# Altium PCB 小车PCB升级.PcbDoc (part 2 of 3) (continued)
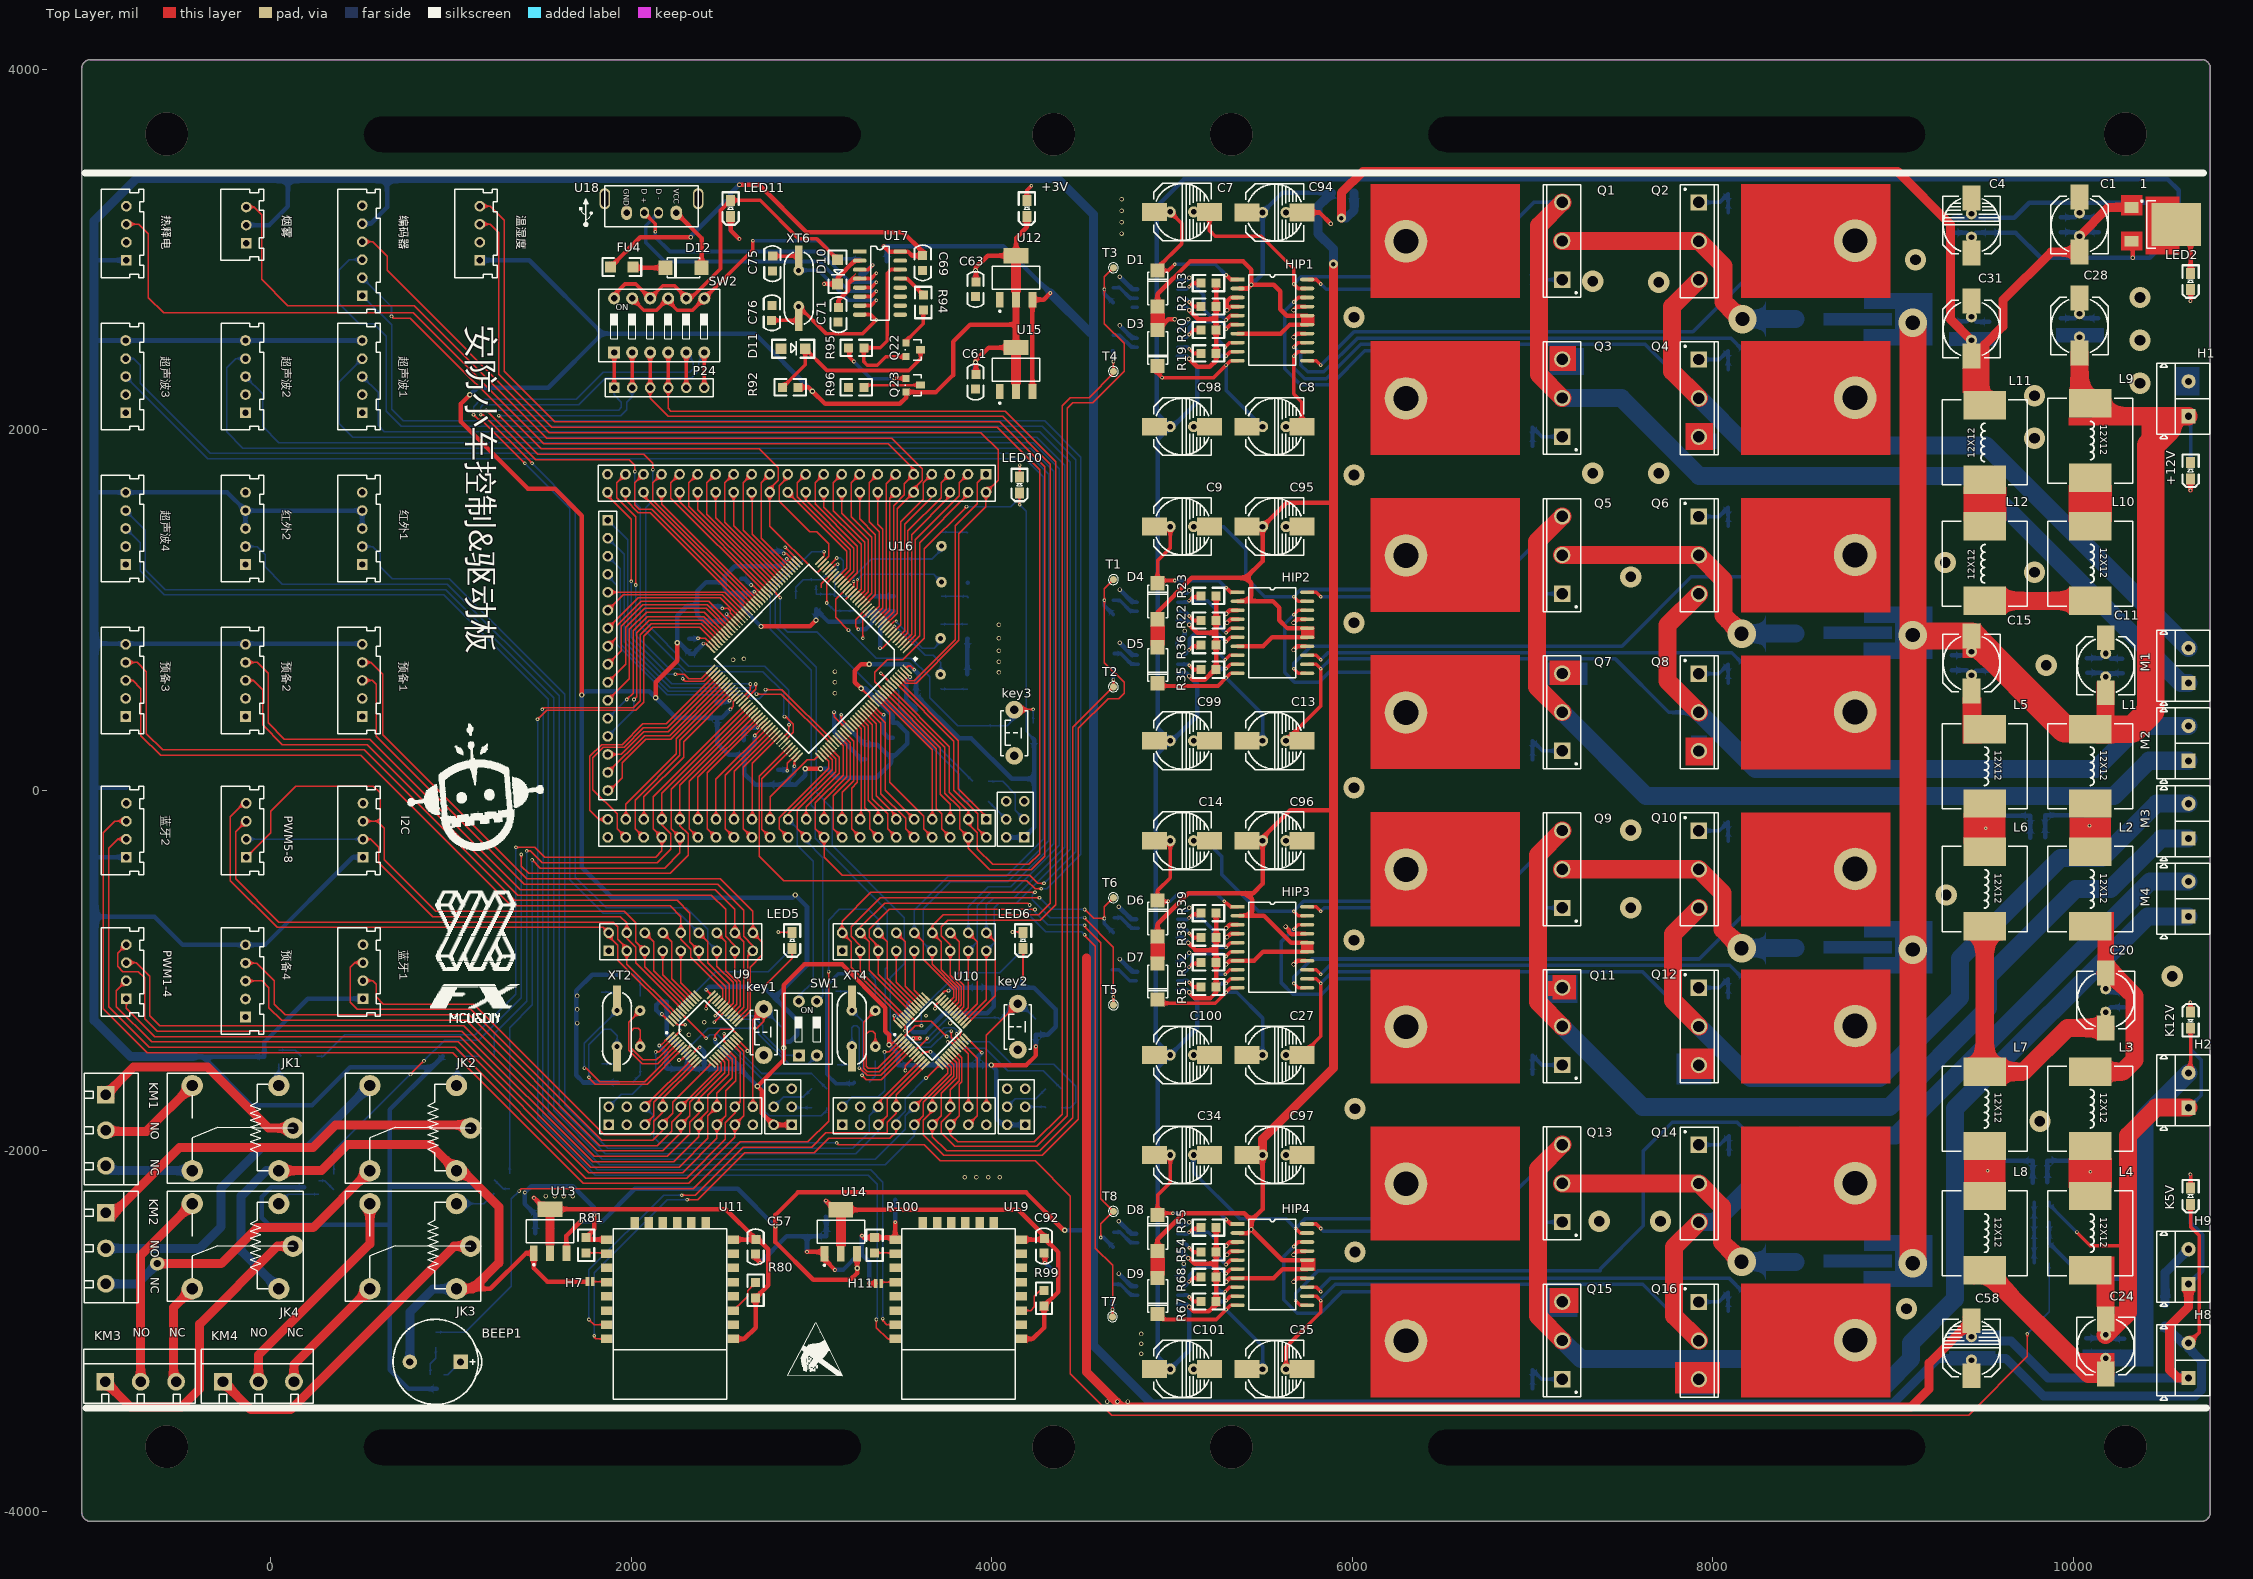
[diagram p0: Top Layer view]
## Nets (pads, with @x,y where several pads share a name; then routed paths per layer and width w, separated by ;. In a path a pad name is that pad's centre, name@x,y a point inside that pad or via, vN(x,y) a via of type N, cw(c..) or ccw(c..) an arc to the next point about the centre after c; other vN are vias at no path point) (continued)
  Top Layer w20: v1(5675,2710) 5700,2735 HIP1.18@5739.17,2735
  Bottom Layer w20: v1(5675,2710) 5625,2660 5625,2340 5715,2250 5880,2250 6070,2440 6385,2440 R11.2@6915,1910
BL1: HIP2.18 R31.2 | length 1951.6
  Top Layer w20: v1(5675,974.91) 5700,999.91 HIP2.18@5739.17,999.91
  Bottom Layer w20: v1(5675,974.91) 5625,924.91 5625,655 5680,600 5815,600 5870,655 6430,655 R31.2@6915,170
BL2: HIP3.18 R47.2 | length 2127.8
  Top Layer w20: v1(5675,-770) 5700,-745 HIP3.18@5739.17,-745
  Bottom Layer w20: v1(5675,-770) 5605,-840 5605,-1065 5670,-1130 5830,-1130 5915,-1045 6620,-1045 6755,-1180 6755,-1415 R47.2@6915,-1575
BL3: HIP4.18 R63.2 | length 2170.4
  Top Layer w20: v1(5675,-2530) 5700,-2505 HIP4.18@5739.17,-2505
  Bottom Layer w20: v1(5675,-2530) 5620,-2585 5620,-2825 5695,-2900 5825,-2900 5945,-2780 6680,-2780 6795,-2895 6795,-3200 R63.2@6915,-3320
BLI1: HIP1.5 R3.2 U1.6 | length 545
  Top Layer w20: v1(5095,2795) 5114.9,2814.9 R3.2@5160,2814.9 ; v1(5300,2610) 5325,2635 HIP1.5@5364.17,2635
  Bottom Layer w20: U1.6@5032.5,2780 5080,2780 v1(5095,2795) 5130,2795 5175,2750 5175,2670 5215,2630 5280,2630 v1(5300,2610)
BLI2: HIP2.5 R23.2 U3.6 | length 536.6
  Top Layer w20: v1(5095,1053.33) 5114.9,1073.23 R23.2@5160,1073.23 ; v1(5300,874.91) 5325,899.91 HIP2.5@5364.17,899.91
  Bottom Layer w20: U3.6@5032.5,1045 5086.67,1045 v1(5095,1053.33) 5196.67,1053.33 5240,1010 5240,934.91 v1(5300,874.91)
BLI3: HIP3.5 R39.2 U5.6 | length 527.4
  Top Layer w20: v1(5095,-706.64) 5114.9,-686.74 R39.2@5160,-686.74 ; v1(5300,-870) 5325,-845 HIP3.5@5364.17,-845
  Bottom Layer w20: U5.6@5032.5,-715 5086.64,-715 v1(5095,-706.64) 5161.64,-706.64 5230,-775 5230,-845 5255,-870 v1(5300,-870)
BLI4: HIP4.5 R55.2 U7.6 | length 539.5
  Top Layer w20: v1(5095,-2451.64) 5114.9,-2431.74 R55.2@5160,-2431.74 ; v1(5300,-2630) 5325,-2605 HIP4.5@5364.17,-2605
  Bottom Layer w20: U7.6@5032.5,-2460 5086.64,-2460 v1(5095,-2451.64) 5201.64,-2451.64 5245,-2495 5245,-2575 v1(5300,-2630)
BOOT0: R102.2 U16.138 | length 889.8
  Top Layer w8: v1(3385,650) 3386.24,650 U16.138@3440.94,595.3
  Bottom Layer w8: v1(3385,650) 3485,550 3485,460 R102.2@3895,50
BOOT1: P26.33 R103.1 U16.48 | length 2607.4
  Top Layer w8: P26.33@2368.05,1755 2320,1706.95 2320,1577.04 U16.48@2781.16,1115.88
  Top Layer w10: U16.48@2781.16,1115.88 v1(2827.04,1070)
  Bottom Layer w10: v1(2827.04,1070) 2827.04,917.96 2865,880 3030,880 3820,90 3820,-25 3855,-60 R103.1@3895,-60
"CH340 D+": U17.5 U18.3 | length 1594.2
  Top Layer w20: U18.3@2072.9,3205 2133.89,3144.01 v1(2133.89,3100) ; U17.5@3267.5,2790 3330,2790 v1(3360,2820)
  Bottom Layer w20: v1(2133.89,3100) 2133.89,3071.11 2215,2990 3045,2990 3215,2820 v1(3360,2820)
"CH340 D-": U17.6 U18.2 | length 1691.3
  Top Layer w20: U17.6@3267.5,2740 3330,2740 v1(3360,2770)
  Bottom Layer w20: U18.2@2151.4,3205 2080,3133.6 2080,3040 2185,2935 3045,2935 3210,2770 v1(3360,2770)
ESPRXD: U16.69 U19.21 | length 6569.5
  Top Layer w8: v1(1506.72,450) 1516.72,460 2011.72,460 2050,498.28 2050,863.28 2111.72,925 2387.43,925 U16.69@2481.78,830.65 U16.69@2488.85,823.58 ; v1(3395,-2930) 3395,-2940 3418.74,-2963.74 U19.21@3464.21,-2963.74
  Bottom Layer w8: v1@1510,445 1513,442 1513,-446.16 1510,-449.16 1510,-1802.57 1812.43,-2105 3327.43,-2105 3395,-2172.57 v1(3395,-2930)
ESPTXD: U16.70 U19.22 | length 6634.9
  Top Layer w8: v1(1480,395) 1530,445 2025,445 2070,490 2070,855 2120,905 2379.59,905 U16.70@2467.86,816.73 U16.70@2474.93,809.66 ; v1(3360,-2935) 3360,-2980 3422.48,-3042.48 U19.22@3464.21,-3042.48
  Bottom Layer w8: v1(1480,395) 1480,-1815 1800,-2135 3315,-2135 3365,-2185 3365,-2930 v1(3360,-2935)
ESPVCC1: C57.2 C65.2 C66.2 R80.1 U11.1 U11.8 U13.2 | length 2391.2
  Top Layer w25: v1(1460,-2260) 1522.95,-2322.95 U13.2@1550,-2322.95 2524.95,-2322.95 C57.2@2692,-2490 ; U11.1@2565.79,-3042.48 2627.52,-3042.48 2690,-2980 R80.1@2690,-2815 2760,-2745 2760,-2545 2705,-2490 C57.2@2692,-2490 ; U11.8@2565.79,-2491.3 2690.7,-2491.3 C57.2@2692,-2490
  Bottom Layer w25: v1(1460,-2260) C65.2@1550,-2350 C66.2@1550,-2455
ESPVCC2: C67.2 C68.2 C92.2 R99.1 U14.2 U19.1 U19.8 | length 2474.7
  Top Layer w8: C92.2@4305,-2485 4370,-2550
  Top Layer w25: v1(3080,-2275) 3131.26,-2326.26 U14.2@3162.48,-2326.26 4146.26,-2326.26 C92.2@4305,-2485 ; U19.1@4165,-3042.48 4227.52,-3042.48 4290,-2980 R99.1@4290,-2860 4370,-2780 4370,-2563 C92.2@4292,-2485 4285.7,-2491.3 U19.8@4165,-2491.3
  Bottom Layer w25: v1(3080,-2275) 3080,-2281 C67.2@3162,-2363 3164.19,-2365.19 C68.2@3164.19,-2470
F12V: C94.1 C95.1 C96.1 C97.1 D1.1 D3.1 D4.1 D5.1 D6.1 D7.1 D8.1 D9.1 FU2.1 HIP1.2 HIP1.7 HIP1.15 HIP1.16 HIP2.2 HIP2.7 HIP2.15 HIP2.16 HIP3.2 HIP3.7 HIP3.15 HIP3.16 HIP4.2 HIP4.7 HIP4.15 HIP4.16 | length 15271.4
  Top Layer w25: D8.1@4920,-2555 4920,-2490 5065,-2345 5400,-2345 5440,-2385 ; D6.1@4920,-810 4920,-740 5090,-570 5410,-570 ; D4.1@4920,950 4920,990 5110,1180 5410,1180 ; D3.1@4920,2555 4980,2615 v2(5015,2615) ; D1.1@4920,2685 4920,2755 5100,2935 5395,2935 5440,2890 v2(5440,2805) ; v2(5300,-2725) 5320,-2705 HIP4.7@5364.17,-2705 5565,-2705 5615,-2655 HIP4.15@5750,-2655 ; v2(5300,-965) 5320,-945 HIP3.7@5364.17,-945 5455,-945 5505,-895 HIP3.15@5750,-895 ; HIP2.7@5364.17,799.91 5504.91,799.91 5554.91,849.91 HIP2.15@5750,849.91 ; HIP2.2@5364.17,1049.91 5410,1049.91 ; HIP1.7@5364.17,2535 5604.17,2535 5654.17,2585 HIP1.15@5750,2585 HIP1.16@5750,2635 5749,2634 5636,2634 5600,2670 5600,2770 5565,2805 v2(5440,2805) ; HIP4.2@5375.83,-2455 5420,-2455 v2(5440,-2435) ; HIP3.2@5375.83,-695 5420,-695 ; HIP1.2@5375.83,2785 5420,2785 v2(5440,2805) ; C97.1@5502.47,-2035 5502.47,-2322.53 5440,-2385 ; HIP4.16@5750,-2605 5750,-2606 5611,-2606 v2(5440,-2435) ; HIP3.16@5750,-845 5750,-846 5661.33,-846 5510.33,-695 5420,-695 ; HIP2.16@5750,899.91 5750,898.91 5641.09,898.91 5595,945 5595,1015 5560.09,1049.91 5410,1049.91 ; 5895,-95 5880,-110 5655,-110 5502.47,-262.53 C96.1@5502.47,-278.9 5502.47,-517.53 5450,-570 5410,-570 ; 5895,1600 5890,1595 5633.51,1595 C95.1@5502.47,1463.96 5502.47,1272.47 5410,1180 ; 5410,-570 5445,-605 5445,-670 5420,-695 ; 5410,1049.91 5440,1079.91 5440,1150 5410,1180 ; v2(5440,-2435) 5440,-2385
  Top Layer w50: C97.1@5502.47,-2035 C97.1@5502.47,-2021.75 5502.47,-1932.53 5895,-1540 5895,-95 5895,1600 v8(5895,2920)
  Bottom Layer w25: v2(5440,2805) 5502.47,2867.47 C94.1@5502.47,3206.82 5610.65,3315 FU2.1@5885,3315
  Bottom Layer w50: FU2.1@5885,3315 5810,3240 5810,3090 5895,3005 v8(5895,2920)
GND: 1.2 +12V.2 C1.1 C2.1 C3.1 C10.1 C11.1 C12.1 C15.1 C16.1 C17.1 C28.1 C29.1 C30.1 C31.1 C32.1 C33.1 C94.2 C95.2 C96.2 C97.2 C98.2 C99.2 C100.2 C101.2 D2.2 H1.2 HIP1.3 HIP1.4 HIP1.14 HIP1.17 HIP2.3 HIP2.4 HIP2.14 HIP2.17 HIP3.3 HIP3.4 HIP3.14 HIP3.17 HIP4.3 HIP4.4 HIP4.14 HIP4.17 L5.1 LED2.2 Q3.3 Q4.3 Q7.3 Q8.3 Q11.3 Q12.3 Q15.3 Q16.3 R6.1 R7.1 R8.2 R9.2 R10.2 R13.2 R26.1 R27.1 R28.2 R29.2 R30.2 R33.2 R42.1 R43.1 R44.2 R45.2 R46.2 R49.2 R58.1 R59.1 R60.2 R61.2 R62.2 R65.2 U1.5 U2.5 U3.5 U4.5 U5.5 U6.5 U7.5 U8.5 | length 3535.1
  Top Layer w25: v2(5300,-2525) 5320,-2505 HIP4.3@5364.17,-2505 ; v2(5300,-765) 5320,-745 HIP3.3@5364.17,-745 ; v2(5300,979.91) 5320,999.91 HIP2.3@5364.17,999.91 ; v2(5305,-2575) 5325,-2555 HIP4.4@5364.17,-2555 HIP4.4@5369.17,-2555 ; v2(5305,-815) 5325,-795 HIP3.4@5364.17,-795 HIP3.4@5369.17,-795 ; v2(5305,929.91) 5325,949.91 HIP2.4@5364.17,949.91 HIP2.4@5369.17,949.91 ; HIP1.3@5364.17,2735 5325,2735 5305,2715 v2(5305,2665) 5325,2685 HIP1.4@5364.17,2685 HIP1.4@5369.17,2685 ; v2(5630,-755) 5646.5,-771.5 5646.5,-781.81 5663.19,-798.5 5686.81,-798.5 5690.31,-795 HIP3.17@5738.35,-795 ; v2(5674.17,-2725) 5694.17,-2705 HIP4.14@5738.35,-2705 ; v2(5674.17,-2575) 5694.17,-2555 HIP4.17@5738.35,-2555 ; v2(5674.17,-965) 5694.17,-945 HIP3.14@5738.35,-945 ; v2(5674.17,779.91) 5694.17,799.91 HIP2.14@5738.35,799.91 ; v2(5674.17,929.91) 5694.17,949.91 HIP2.17@5738.35,949.91 ; v2(5674.17,2515) 5694.17,2535 HIP1.14@5738.35,2535 ; v2(5674.17,2665) 5694.17,2685 HIP1.17@5738.35,2685 ; C94.2@5720.47,3206.82 5818.18,3206.82 v2(5880,3145) ; 1.2@10571.57,3140 10651,3060.57 LED2.2@10651,2869
  Bottom Layer w25: U8.5@5032.5,-2700 5035,-2700 5065,-2670 v2(5065,-2625) ; U7.5@5032.5,-2410 5080,-2410 v2(5095,-2395) ; U6.5@5032.5,-955 5040,-955 v2(5095,-900) ; U5.5@5032.5,-665 5080,-665 v2(5095,-650) ; U4.5@5032.5,800 5032.5,827.5 5070,865 v2(5070,885) ; U3.5@5032.5,1095 5080,1095 v2(5095,1110) ; U2.5@5032.5,2560 5050,2560 5050,2565.31 5090,2605.31 v2(5090,2615) ; U1.5@5032.5,2830 5080,2830 v2(5095,2845) ; C16.1@9327,667 9407.83,667 C15.1@9435,639.83 9460.17,665 C17.1@9540,665 ; C33.1@9333,2602 9409,2602 C31.1@9435,2628 9463,2600 C32.1@9535,2600 ; C30.1@9930,2620 10009.83,2620 C28.1@10035,2645.17 10060.17,2620 C29.1@10140,2620 ; C2.1@9930,3180 10010,3180 C1.1@10035,3205 10060,3180 C3.1@10140,3180 ; C12.1@10075,735 10154.83,735 C11.1@10180,760.17 10208.17,732 C10.1@10273,732
  other v3: 9075,-2875 6015,-2560 7370,-2390 7710,-2390 9815,-1835 6015,-1765 10550,-1030 6010,-830 7545,-650 9295,-580 7545,-220 6010,15 9850,695 6010,930 7545,1185 9785,1210 9290,1265 6010,1750 7335,1760 7700,1760 9785,1955 9785,2190 10370,2260 10370,2497.5 6010,2625 10370,2735 7700,2820 7335,2825 9125,2945
HTUCL: P27.4 U16.136 温湿度.4 | length 7968.8
  Top Layer w8: 温湿度.4@1160,3241.77 1218.23,3241.77 1295,3165 1295,2325 1575,2045 4045,2045 4295,1795 4295,-365 4220,-440 3990,-440 3870,-320 P27.4@3870,-260 3821.95,-211.95 3821.95,-96.95 3740,-15 3740,240.56 U16.136@3420.17,560.39 U16.136@3413.1,567.46
HTUDA: P27.3 U16.137 温湿度.3 | length 7774.5
  Top Layer w8: 温湿度.3@1160,3141.77 1218.23,3141.77 1265,3095 1265,2310 1560,2015 4030,2015 4265,1780 4265,-350 4205,-410 4005,-410 3920,-325 3920,-235 3870,-185 P27.3@3870,-160 3870,-115 3765,-10 3765,243.4 U16.137@3434.09,574.31 U16.137@3427.02,581.38
IC12V: 1.1 C1.2 C2.2 C3.2 C31.2 C32.2 C33.2 FU2.2 L11.2 | length 6527.8
  Top Layer w50: v8(5940,3175) 5940,3315 6060,3435 9025,3435 9320,3140 9320,2613 C31.2@9435,2498 ; L11.2@9509,2137.44 9509,2474 9610,2575 9610,2720 9877,2987 C1.2@10035,2987 ; C1.2@10035,3075 10194.76,3234.76 1.1@10322.98,3234.76
  Bottom Layer w25: C33.2@9335,2520 9413,2520 C31.2@9435,2498 9455,2518 C32.2@9537,2518 ; C2.2@9932,3098 10012,3098 C1.2@10035,3075 10058,3098 C3.2@10142,3098
  Bottom Layer w50: v8(5940,3175) 5965,3175 6010,3220 FU2.2@6010,3315
MCU: C24.1 C25.1 C26.1 C46.1 H2.2 K12V.2 L8.2 R73.1 | length 3791.3
  Top Layer w20: H2.2@10640,-1566.3 10651,-1555.3 K12V.2@10651,-1319
  Top Layer w100: L8.2@9509,-2662.44 10083.72,-3237.17 C24.1@10180,-3237.17
  Bottom Layer w20: R73.1@9867.64,-2396.67 9867.64,-2507.36 C46.1@9865,-2510 10065,-2710 10395,-2710
  Bottom Layer w25: C25.1@10075,-3120 10149.83,-3120 C24.1@10180,-3150.17 10205.17,-3125 C26.1@10285,-3125
  Bottom Layer w100: 10395,-3135 10395,-2710 10395,-1811.3 H2.2@10640,-1566.3
MCU12V: C24.2 C25.2 C26.2 H2.1 L4.2 R16.2 R71.2 | length 2822.7
  Top Layer w20: v1(10020,-2450) 10095,-2525 10300,-2525 10305,-2530
  Top Layer w100: C24.2@10180,-3020.17 10305,-2895.17 10305,-2530 10305,-1915 10460,-1760 H2.1@10640,-1760
  Bottom Layer w20: R71.2@9867.64,-2285 9867.64,-2297.64 v1(10020,-2450) ; H2.1@10640,-1760 10710,-1690 10710,-1495 10651,-1436 R16.2@10651,-1320
  Bottom Layer w25: C25.2@10073,-3038 10162.17,-3038 C24.2@10180,-3020.17 10202.83,-3043 C26.2@10283,-3043
Net1_3: 1.3 C4.1 C5.2 C6.2 FU1.1 | length 1489
  Top Layer w25: 1.3@10323.18,3048 10330,3041.18 v2(10330,2955)
  Bottom Layer w25: C5.2@9335,3095 9409.83,3095 C4.1@9435,3069.83 9460.17,3095 C6.2@9540,3095 9680,3095 9820,2955 v2(10330,2955) 10425,2955 10520,3050 FU1.1@10520,3140
Net2_2: 2.2 R97.1 U16.24 XT7.1 | length 810.2
  Top Layer w8: U16.24@3234.7,1132.95 v11(3234.7,1159.7)
  Top Layer w10: U16.24@3204.31,1101.96 3235,1132.65 U16.24@3234.7,1132.95
  Bottom Layer w8: XT7.1@3721,1434 2.2@3861,1434
  Bottom Layer w10: v11(3234.7,1159.7) 3234.7,1184.7 3335,1285 R97.1@3575,1285 3670,1285 3721,1336 XT7.1@3721,1356 ; 2.2@3861,1434 2.2@3865,1430
NetBEEP1_1: BEEP1.1 Q17.2 | length 122
  Bottom Layer w8: Q17.2@960,-3240 983,-3240 BEEP1.1@1053,-3170
NetC4_2: C4.2 C5.1 C6.1 D2.1 | length 1200.3
  Bottom Layer w25: C5.1@9333,3177 9412.17,3177 C4.2@9435,3199.83 9457.83,3177 C6.1@9538,3177 9672,3177 9755,3260 D2.1@10480,3260
NetC7_1: C7.1 D1.2 HIP1.1 | length 901.7
  Top Layer w20: C7.1@4990,3210 5055,3145 5055,3035 4920,2900 D1.2@4920,2885 4980,2885 v1(5015,2920) ; v1(5300,2860) 5325,2835 HIP1.1@5364.17,2835
  Bottom Layer w20: v1(5015,2920) 5240,2920 v1(5300,2860)
NetC8_1: C8.1 D3.2 HIP1.10 | length 958
  Top Layer w20: D3.2@4920,2355 4920,2315.83 v1(4945,2290.83) 5230.83,2290.83 v1(5300,2360) 5325,2385 HIP1.10@5364.17,2385
  Bottom Layer w20: v1(5300,2360) 5300,2221.04 C8.1@5502.47,2018.57
NetC9_1: C9.1 D4.2 HIP2.1 | length 820.3
  Top Layer w20: C9.1@4990,1463.96 4990,1345 4920,1275 D4.2@4920,1150 4935,1165 v1(5015,1165) ; v1(5300,1124.91) 5325,1099.91 HIP2.1@5364.17,1099.91
  Bottom Layer w20: v1(5015,1165) 5259.91,1165 v1(5300,1124.91)
NetC13_1: C13.1 D5.2 HIP2.10 | length 912.4
  Top Layer w20: D5.2@4920,595 4935,580 5255,580 5299.91,624.91 v1(5300,624.91) 5325,649.91 HIP2.10@5364.17,649.91
  Bottom Layer w20: v1(5300,624.91) 5502.47,422.44 C13.1@5502.47,275.71
NetC14_1: C14.1 D6.2 HIP3.1 | length 852.9
  Top Layer w20: v1(4980,-615) 4930,-620 D6.2@4920,-610 4920,-555 4990,-485 C14.1@4990,-278.9 ; v1(5290,-615) 5325,-645 HIP3.1@5364.17,-645
  Bottom Layer w20: v1(4980,-615) 4990,-615 5030,-575 5250,-575 v1(5290,-615)
NetC18_1: C18.1 C19.1 L5.2 L6.1 | length 397.7
  Bottom Layer w25: v1(9515,-210) 9585.8,-139.2 C18.1@9761.36,-139.2 C19.1@9761.36,-261.2
NetC18_2: C18.2 C19.2 L1.2 L2.1 | length 392.6
  Bottom Layer w25: C19.2@9843.36,-259.2 C18.2@9843.36,-137.2 10032.2,-137.2 v1(10090,-195)
NetC20_1: C20.1 C21.1 L6.2 L7.1 | length 1692.5
  Top Layer w100: L6.2@9509,-752.44 9509,-1559.78 9725.22,-1559.78 9968,-1317 C20.1@10180,-1317
  Bottom Layer w25: C20.1@10180,-1230 10208,-1202 C21.1@10282,-1202
NetC20_2: C20.2 C21.2 L2.2 L3.1 | length 948
  Top Layer w100: L3.1@10095.22,-1560 10275,-1560 10340,-1495 10340,-1140 10212,-1012 C20.2@10180,-1012
  Bottom Layer w25: C20.2@10180,-1100 10200,-1120 C21.2@10280,-1120
NetC22_1: C22.1 C23.1 L7.2 L8.1 | length 392.8
  Bottom Layer w25: v1(9525,-2110) 9580,-2055 C23.1@9775,-2055 C22.1@9775,-2175
NetC22_2: C22.2 C23.2 L3.2 L4.1 | length 383.7
  Bottom Layer w25: C22.2@9857,-2173 C23.2@9857,-2053 10033,-2053 v1(10095,-2115)
NetC27_1: C27.1 D7.2 HIP3.10 | length 953.8
  Top Layer w20: D7.2@4920,-1160 4940,-1180 5240,-1180 v1(5300,-1120) 5325,-1095 HIP3.10@5364.17,-1095
  Bottom Layer w20: v1(5300,-1120) 5360,-1120 5502.47,-1262.47 C27.1@5502.47,-1467.14
NetC34_1: C34.1 D8.2 HIP4.1 | length 835.4
  Top Layer w20: C34.1@4990,-2021.75 4990,-2175 4920,-2245 D8.2@4920,-2355 4930,-2345 v1(5005,-2345) ; v1(5300,-2380) 5325,-2405 HIP4.1@5364.17,-2405
  Bottom Layer w20: v1(5005,-2345) 5265,-2345 v1(5300,-2380)
NetC35_1: C35.1 D9.2 HIP4.10 | length 903.6
  Top Layer w20: D9.2@4920,-2905 4950,-2935 5245,-2935 v1(5300,-2880) 5325,-2855 HIP4.10@5364.17,-2855
  Bottom Layer w20: v1(5300,-2880) 5502.47,-3082.47 C35.1@5502.47,-3210
NetC46_2: C46.2 R71.1 R72.1 R73.2 | length 335
  Bottom Layer w20: R72.1@9782.64,-2620 R73.2@9782.64,-2396.67 R71.1@9782.64,-2285
NetC71_1: C71.1 U17.4 | length 335.3
  Top Layer w20: U17.4@3267.5,2840 3330,2840 v1(3360,2870)
  Top Layer w25: C71.1@3150,2680 3150,2720 3205,2775 3205,2814.5 3230.5,2840 U17.4@3267.5,2840
NetC75_2: C75.2 U17.7 XT6.1 | length 749.1
  Top Layer w20: C75.2@2785,2965 2928,2965 XT6.1@2929,2964 ; U17.7@3267.5,2690 3330,2690 v1(3360,2720)
  Bottom Layer w20: XT6.1@2929,2886 3039,2886 3205,2720 v1(3360,2720)
NetC76_2: C76.2 U17.8 XT6.2 | length 781
  Top Layer w20: C76.2@2778,2608 2928,2608 XT6.2@2929,2607 ; XT6.2@2929,2686 3080,2535 3285,2535 v1(3360,2610) 3330,2640 U17.8@3267.5,2640
NetC77_2: C77.2 R97.2 U16.23 XT7.2 | length 785.6
  Top Layer w8: 3190,1060 3254.82,1124.82 v7(3254.82,1170)
  Bottom Layer w8: v7(3254.82,1170) 3284.82,1200 R97.2@3575,1200 3677,1200 XT7.2@3721,1156 ; XT7.2@3721,1077 C77.2@3863,1077
  Bottom Layer w10: C77.2@3863,1077 C77.2@3870,1070
NetC78_1: C78.1 C79.1 U16.30 | length 333.1
  Top Layer w8: v1(3085,1040) 3085,1149.69 U16.30@3120.79,1185.48
  Bottom Layer w8: v1(3085,1040) 3128,997 C78.1@3132,997 C79.1@3240,997
NetD10_2: D10.2 U17.2 | length 271.9
  Top Layer w25: v1(3070,2810) D10.2@3145,2810 3145,2845 3240,2940 U17.2@3267.5,2940
NetD11_2: D11.2 Q22.1 R92.1 | length 1032.8
  Top Layer w20: R92.1@2840,2237.06 2965,2362.06 D11.2@2965,2451 3086,2330 3540,2330 3605,2395 Q22.1@3605,2445
NetD12_1: D12.1 U18.1 | length 363
  Top Layer w25: U18.1@2250,3205 2390,3065 D12.1@2390,2900
NetD12_2: D12.2 FU4.2 | length 181.8
  Top Layer w25: FU4.2@2010,2904.24 2014.24,2900 D12.2@2190,2900
NetDF1_2: DF1.2 Q1.2 Q2.2 | length 1562.4
  Top Layer w100: Q1.2@7165,3048.82 7922.18,3048.82 Q2.2@7923,3048 8060,2911 8060,2710 8155,2615 v5(8165,2615)
  Bottom Layer w100: v5@8195,2615 DF1.2@8460,2615
NetDF2_1: 
NetDF2_2: DF2.2 Q5.2 Q6.2 | length 1566.7
  Top Layer w100: Q5.2@7165,1305.96 7922.18,1305.96 Q6.2@7923,1305.14 8060,1168.14 8060,970 v5(8160,870)
  Bottom Layer w100: v5@8185,870 DF2.2@8460,870
NetDF3_2: DF3.2 Q9.2 Q10.2 | length 1548.8
  Top Layer w100: Q9.2@7165,-436.9 7922.18,-436.9 Q10.2@7923,-437.71 8055,-569.71 8055,-770 v5(8160,-875)
  Bottom Layer w100: v5@8205,-875 DF3.2@8460,-875
NetDF4_2: DF4.2 Q13.2 Q14.2 | length 1590.9
  Top Layer w100: Q13.2@7165,-2179.75 7922.18,-2179.75 Q14.2@7923,-2180.57 8050,-2307.57 8050,-2505 v5(8160,-2615)
  Bottom Layer w100: v5(8160,-2615) DF4.2@8460,-2615
NetFU3_1: FU3.1 H9.2 | length 353.8
  Bottom Layer w50: FU3.1@10510,-2845 10510,-2675 H9.2@10640,-2545
NetH7_2: H7.2 U11.18 | length 71
  Top Layer w8: H7.2@1795,-2725 U11.18@1862.48,-2725
  Top Layer w25: U11.18@1862.48,-2725 U11.18@1865,-2727.52
NetH11_2: H11.2 U19.18 | length 80.2
  Top Layer w8: H11.2@3387.06,-2735 3394.54,-2727.52 U19.18@3464.21,-2727.52
NetHIP1_8: HIP1.8 R8.1 | length 190.2
  Top Layer w20: v1(5295,2460) 5320,2485 HIP1.8@5359.17,2485
  Bottom Layer w20: R8.1@5245,2555 5245,2510 v1(5295,2460)
NetHIP1_9: HIP1.9 R13.1 | length 135.7
  Top Layer w20: v1(5300,2410) 5325,2435 HIP1.9@5364.17,2435
  Bottom Layer w20: R13.1@5245,2425 5260,2410 v1(5300,2410)
NetHIP2_8: HIP2.8 R28.1 | length 175.3
  Top Layer w20: v1(5295,724.91) 5320,749.91 HIP2.8@5359.17,749.91
  Bottom Layer w20: R28.1@5245,805 5245,774.91 v1(5295,724.91)
NetHIP2_9: HIP2.9 R33.1 | length 131.6
  Top Layer w20: v1(5300,674.91) 5325,699.91 HIP2.9@5364.17,699.91
  Bottom Layer w20: R33.1@5245,670 5249.91,674.91 v1(5300,674.91)
NetHIP3_8: HIP3.8 R44.1 | length 177.8
  Top Layer w20: v1(5295,-1020) 5320,-995 HIP3.8@5359.17,-995
  Bottom Layer w20: R44.1@5245,-955 5245,-1000 5265,-1020 v1(5295,-1020)
NetHIP3_9: HIP3.9 R49.1 | length 135.7
  Top Layer w20: v1(5300,-1070) 5325,-1045 HIP3.9@5364.17,-1045
  Bottom Layer w20: R49.1@5245,-1085 5260,-1070 v1(5300,-1070)
NetHIP4_8: HIP4.8 R60.1 | length 189.9
  Top Layer w20: v1(5295,-2780) 5320,-2755 HIP4.8@5359.17,-2755
  Bottom Layer w20: R60.1@5245,-2700 5245,-2755 5270,-2780 v1(5295,-2780)
NetHIP4_9: HIP4.9 R65.1 | length 131.6
  Top Layer w20: v1(5300,-2830) 5325,-2805 HIP4.9@5364.17,-2805
  Bottom Layer w20: R65.1@5245,-2835 5295,-2835 v1(5300,-2830)
NetJK1_2: JK1.2 Q18.2 | length 122
  Bottom Layer w8: JK1.2@45,-1637.05 Q18.2@45,-1515
NetJK2_2: JK2.2 Q19.2 | length 126
  Bottom Layer w8: JK2.2@1030.31,-1637.05 1035,-1632.36 Q19.2@1035,-1513
NetJK3_2: JK3.2 Q20.2 | length 233.3
  Bottom Layer w8: JK3.2@1030.31,-2292.05 1182.95,-2292.05 Q20.2@1240,-2235
NetJK4_2: JK4.2 Q21.2 | length 241.6
  Bottom Layer w8: JK4.2@45,-2292.05 97.05,-2240 Q21.2@265,-2240
NetL9_2: L9.2 L10.1 | length 270.1
  Top Layer w100: L9.2@10095,1735 10095,1465.22 L10.1@10095.22,1465
NetL10_2: L10.2 L12.1 | length 586.2
  Top Layer w100: L12.1@9508.78,1052.56 L10.2@10095,1052.56
NetL11_1: L11.1 L12.2 | length 260.1
  Top Layer w100: L11.1@9508.78,1725 9509,1724.78 L12.2@9509,1465
NetLED1_1: +12V.1 R14.1 | length 133.8
  Top Layer w25: v1(10650,1665) 10651,1666 +12V.1@10651,1729
  Bottom Layer w25: v1(10650,1665) 10650,1733 R14.1@10651,1734
NetLED2_1: LED2.1 R15.1 | length 134.8
  Top Layer w20: v1(10650,2715) 10651,2716 LED2.1@10651,2779
  Bottom Layer w20: v1(10650,2715) 10650,2784 R15.1@10651,2785
NetLED3_1: K12V.1 R16.1 | length 114.8
  Top Layer w20: v1(10650,-1175) 10650,-1228 K12V.1@10651,-1229
  Bottom Layer w20: v1(10650,-1175) 10651,-1176 R16.1@10651,-1235
NetLED5_2: LED5.2 R69.1 | length 157.6
  Top Layer w8: v1(2815,-785) 2817.06,-787.06 LED5.2@2892.94,-787.06
  Bottom Layer w8: v1(2815,-785) 2890.87,-785 R69.1@2892.94,-787.06
NetLED6_2: LED6.2 R70.1 | length 119.3
  Top Layer w8: v1(4115,-785) 4171.74,-785 LED6.2@4173.8,-787.06
  Bottom Layer w8: v1(4115,-785) 4117.06,-787.06 R70.1@4173.8,-787.06
NetLED7_2: +3V.2 R83.2 | length 187.7
  Top Layer w20: +3V.2@4195,3274 4195,3330 v1(4220,3355)
  Bottom Layer w20: R83.2@4195,3269 4195,3330 v1(4220,3355)
NetLED8_2: K5V.2 R84.2 | length 151.8
  Top Layer w20: v1(10650,-2130) 10651,-2131 K5V.2@10651,-2206
  Bottom Layer w20: v1(10650,-2130) 10650,-2204 R84.2@10651,-2205
NetLED10_2: LED10.2 R90.1 | length 131
  Top Layer w10: LED10.2@4153.8,1740 4155,1741.2 v1(4155,1805)
  Bottom Layer w10: R90.1@4153.8,1740 4153.8,1803.8 v1(4155,1805)
NetLED11_1: LED11.1 R91.1 | length 289
  Top Layer w25: LED11.1@2551,3184 2551,3109 v1(2600,3060)
  Bottom Layer w25: R91.1@2550,3184 2550,3110 v1(2600,3060)
NetP12_3: P12.3 R76.1 | length 112.1
  Bottom Layer w10: P12.3@2890,-1755 2895,-1760 R76.1@3000,-1760
NetP12_4: P12.4 R77.2 | length 251.4
  Bottom Layer w10: P12.4@2790,-1755 2845,-1700 2955,-1700 R77.2@3000,-1655
NetP13_3: P13.3 R78.1 | length 117.1
  Bottom Layer w8: P13.3@4185,-1755 4295,-1755 R78.1@4300,-1760
NetP13_4: P13.4 R79.2 | length 256.4
  Bottom Layer w8: P13.4@4085,-1755 4130,-1710 4245,-1710 R79.2@4300,-1655
NetP29_3: P29.3 R102.1 | length 339.7
  Bottom Layer w8: R102.1@3980,50 4060,50 4130,-20 4130,-110 P29.3@4180,-160
NetP29_4: P29.4 R103.2 | length 141.4
  Bottom Layer w8: R103.2@3980,-60 P29.4@4080,-160
NetQ1_1: Q1.1 R4.2 R6.2 | length 291
  Bottom Layer w20: R4.2@7000,2780 R6.2@7000,2885 7050.75,2834.25 Q1.1@7165,2834.25
NetQ2_1: Q2.1 R5.1 R7.2 | length 286.6
  Bottom Layer w20: Q2.1@7923,3262.57 8037.57,3262.57 R5.1@8085,3310 R7.2@8085,3205
NetQ3_1: Q3.1 R9.1 R11.1 | length 291.6
  Bottom Layer w20: R11.1@7000,1910 R9.1@7000,2015 7052.18,1962.82 Q3.1@7165,1962.82
NetQ4_1: Q4.1 R10.1 R12.1 | length 287.2
  Bottom Layer w20: Q4.1@7923,2391.14 8036.14,2391.14 R12.1@8085,2440 R10.1@8085,2335
NetQ5_1: Q5.1 R24.2 R26.2 | length 292.2
  Bottom Layer w20: R24.2@7000,1040 R26.2@7000,1145 7053.61,1091.39 Q5.1@7165,1091.39
NetQ6_1: Q6.1 R25.1 R27.2 | length 287.8
  Bottom Layer w20: Q6.1@7923,1519.71 8034.71,1519.71 R25.1@8085,1570 R27.2@8085,1465
NetQ7_1: Q7.1 R29.1 R31.1 | length 292.8
  Bottom Layer w20: R31.1@7000,170 R29.1@7000,275 7055.03,219.97 Q7.1@7165,219.97
NetQ8_1: Q8.1 R30.1 R32.1 | length 288.4
  Bottom Layer w20: Q8.1@7923,648.28 8033.28,648.28 R32.1@8085,700 R30.1@8085,595
NetQ9_1: Q9.1 R40.2 R42.2 | length 291.3
  Bottom Layer w20: R40.2@7000,-705 R42.2@7000,-600 7051.46,-651.46 Q9.1@7165,-651.46
NetQ10_1: Q10.1 R41.1 R43.2 | length 286.9
  Bottom Layer w20: Q10.1@7923,-223.15 8036.85,-223.15 R41.1@8085,-175 R43.2@8085,-280
NetQ11_1: Q11.1 R45.1 R47.1 | length 291.9
  Bottom Layer w20: R47.1@7000,-1575 R45.1@7000,-1470 7052.89,-1522.89 Q11.1@7165,-1522.89
NetQ12_1: Q12.1 R46.1 R48.1 | length 287.5
  Bottom Layer w20: Q12.1@7923,-1094.58 8035.42,-1094.58 R48.1@8085,-1045 R46.1@8085,-1150
NetQ13_1: Q13.1 R56.2 R58.2 | length 292.5
  Bottom Layer w20: R56.2@7000,-2445 R58.2@7000,-2340 7054.32,-2394.32 Q13.1@7165,-2394.32
NetQ14_1: Q14.1 R57.1 R59.2 | length 293.1
  Bottom Layer w20: Q14.1@7923,-1966 8039,-1966 R57.1@8090,-1915 R59.2@8090,-2020
NetQ15_1: Q15.1 R61.1 R63.1 | length 291
  Bottom Layer w20: R63.1@7000,-3320 R61.1@7000,-3215 7050.75,-3265.75 Q15.1@7165,-3265.75
NetQ16_1: Q16.1 R62.1 R64.1 | length 288.7
  Bottom Layer w20: Q16.1@7923,-2837.43 8032.57,-2837.43 R64.1@8085,-2785 R62.1@8085,-2890
NetQ17_3: Q17.3 R82.2 | length 162.4
  Bottom Layer w8: Q17.3@885,-3240 885,-3180 915,-3150 R82.2@915,-3090
NetQ18_3: Q18.3 R85.2 | length 139.5
  Bottom Layer w8: Q18.3@45,-1440 135,-1440 R85.2@170,-1475
NetQ19_3: Q19.3 R86.2 | length 135.3
  Bottom Layer w8: Q19.3@1035,-1438 1072,-1475 R86.2@1155,-1475
NetQ20_3: Q20.3 R87.2 | length 105.7
  Bottom Layer w8: Q20.3@1240,-2160 1290,-2210 R87.2@1325,-2210
NetQ21_3: Q21.3 R88.2 | length 105.7
  Bottom Layer w8: Q21.3@265,-2165 300,-2165 R88.2@350,-2215
NetQ22_2: Q22.2 R95.2 U17.14 | length 940.7
  Top Layer w20: U17.14@3492.5,2890 3440,2890 3420,2870 3420,2495 3381,2456 R95.2@3290,2456 3290,2380 3310,2360 3365,2360 3412,2407 Q22.2@3525,2407
NetQ22_3: Q22.3 R94.2 | length 222.4
  Top Layer w20: Q22.3@3525,2482 3525,2495 3620,2590 R94.2@3620,2665
NetQ23_1: Q23.1 R96.2 | length 320
  Top Layer w15: R96.2@3302,2249.06 Q23.1@3605,2249.06
  Top Layer w20: R96.2@3290,2237.06 R96.2@3302,2249.06
NetQ23_3: Q23.3 R95.1 | length 418.2
  Top Layer w20: R95.1@3205,2456 3210,2451 3210,2405 v1(3235,2380) ; v1(3460,2285) 3461.06,2286.06 Q23.3@3525,2286.06
  Bottom Layer w20: v1(3235,2380) 3330,2285 v1(3460,2285)
NetR1_2: R1.2 U1.2 | length 157.4
  Bottom Layer w20: R1.2@4675,2790 4710,2790 4770,2730 U1.2@4807.5,2730
NetR2_2: R2.2 U1.7 | length 146.2
  Top Layer w20: v1(5095.83,2709.93) 5120.83,2684.93 R2.2@5160,2684.93
  Bottom Layer w20: U1.7@5032.5,2730 5075.76,2730 v1(5095.83,2709.93)
NetR18_2: R18.2 U2.2 | length 159.4
  Bottom Layer w20: R18.2@4675,2525 4710,2525 4775,2460 U2.2@4807.5,2460
NetR19_2: R19.2 U2.7 | length 142
  Top Layer w20: v1(5095.83,2450) 5120.83,2425 R19.2@5160,2425
  Bottom Layer w20: U2.7@5032.5,2460 5085.83,2460 v1(5095.83,2450)
NetR21_2: R21.2 U3.2 | length 157.4
  Bottom Layer w20: R21.2@4675,1055 4710,1055 4770,995 U3.2@4807.5,995
NetR22_2: R22.2 U3.7 | length 148.9
  Top Layer w20: v1(5095.83,968.27) 5120.83,943.27 R22.2@5160,943.27
  Bottom Layer w20: U3.7@5032.5,995 5069.09,995 v1(5095.83,968.27)
NetR34_2: R34.2 U4.2 | length 157.4
  Bottom Layer w20: R34.2@4680,760 4715,760 4775,700 U4.2@4807.5,700 U4.2@4812.5,700
NetR35_2: R35.2 U4.7 | length 139.9
  Top Layer w20: v1(5095.83,695) 5120.83,670 R35.2@5160,670
  Bottom Layer w20: U4.7@5032.5,700 5090.83,700 v1(5095.83,695)
NetR37_2: R37.2 U5.2 | length 157.4
  Bottom Layer w20: R37.2@4680,-705 4715,-705 4775,-765 U5.2@4807.5,-765 U5.2@4812.5,-765
NetR38_2: R38.2 U5.7 | length 148.9
  Top Layer w20: v1(5095.83,-791.7) 5120.83,-816.7 R38.2@5160,-816.7
  Bottom Layer w20: U5.7@5032.5,-765 5069.12,-765 v1(5095.83,-791.7)
NetR50_2: R50.2 U6.2 | length 157.4
  Bottom Layer w20: R50.2@4670,-995 R50.2@4675,-995 4705,-995 4765,-1055 U6.2@4802.5,-1055
NetR51_2: R51.2 U6.7 | length 142
  Top Layer w20: v1(5095.83,-1064.91) 5120.83,-1089.91 R51.2@5160,-1089.91
  Bottom Layer w20: U6.7@5032.5,-1055 5085.92,-1055 v1(5095.83,-1064.91)
NetR53_2: R53.2 U7.2 | length 157.4
  Bottom Layer w20: R53.2@4677.5,-2450 4712.5,-2450 4772.5,-2510 U7.2@4807.5,-2510 U7.2@4810,-2510
NetR54_2: R54.2 U7.7 | length 148.9
  Top Layer w20: v1(5095.83,-2536.7) 5120.83,-2561.7 R54.2@5160,-2561.7
  Bottom Layer w20: U7.7@5032.5,-2510 5069.12,-2510 v1(5095.83,-2536.7)